# KiCad board Batch 1.kicad_pcb (continued)
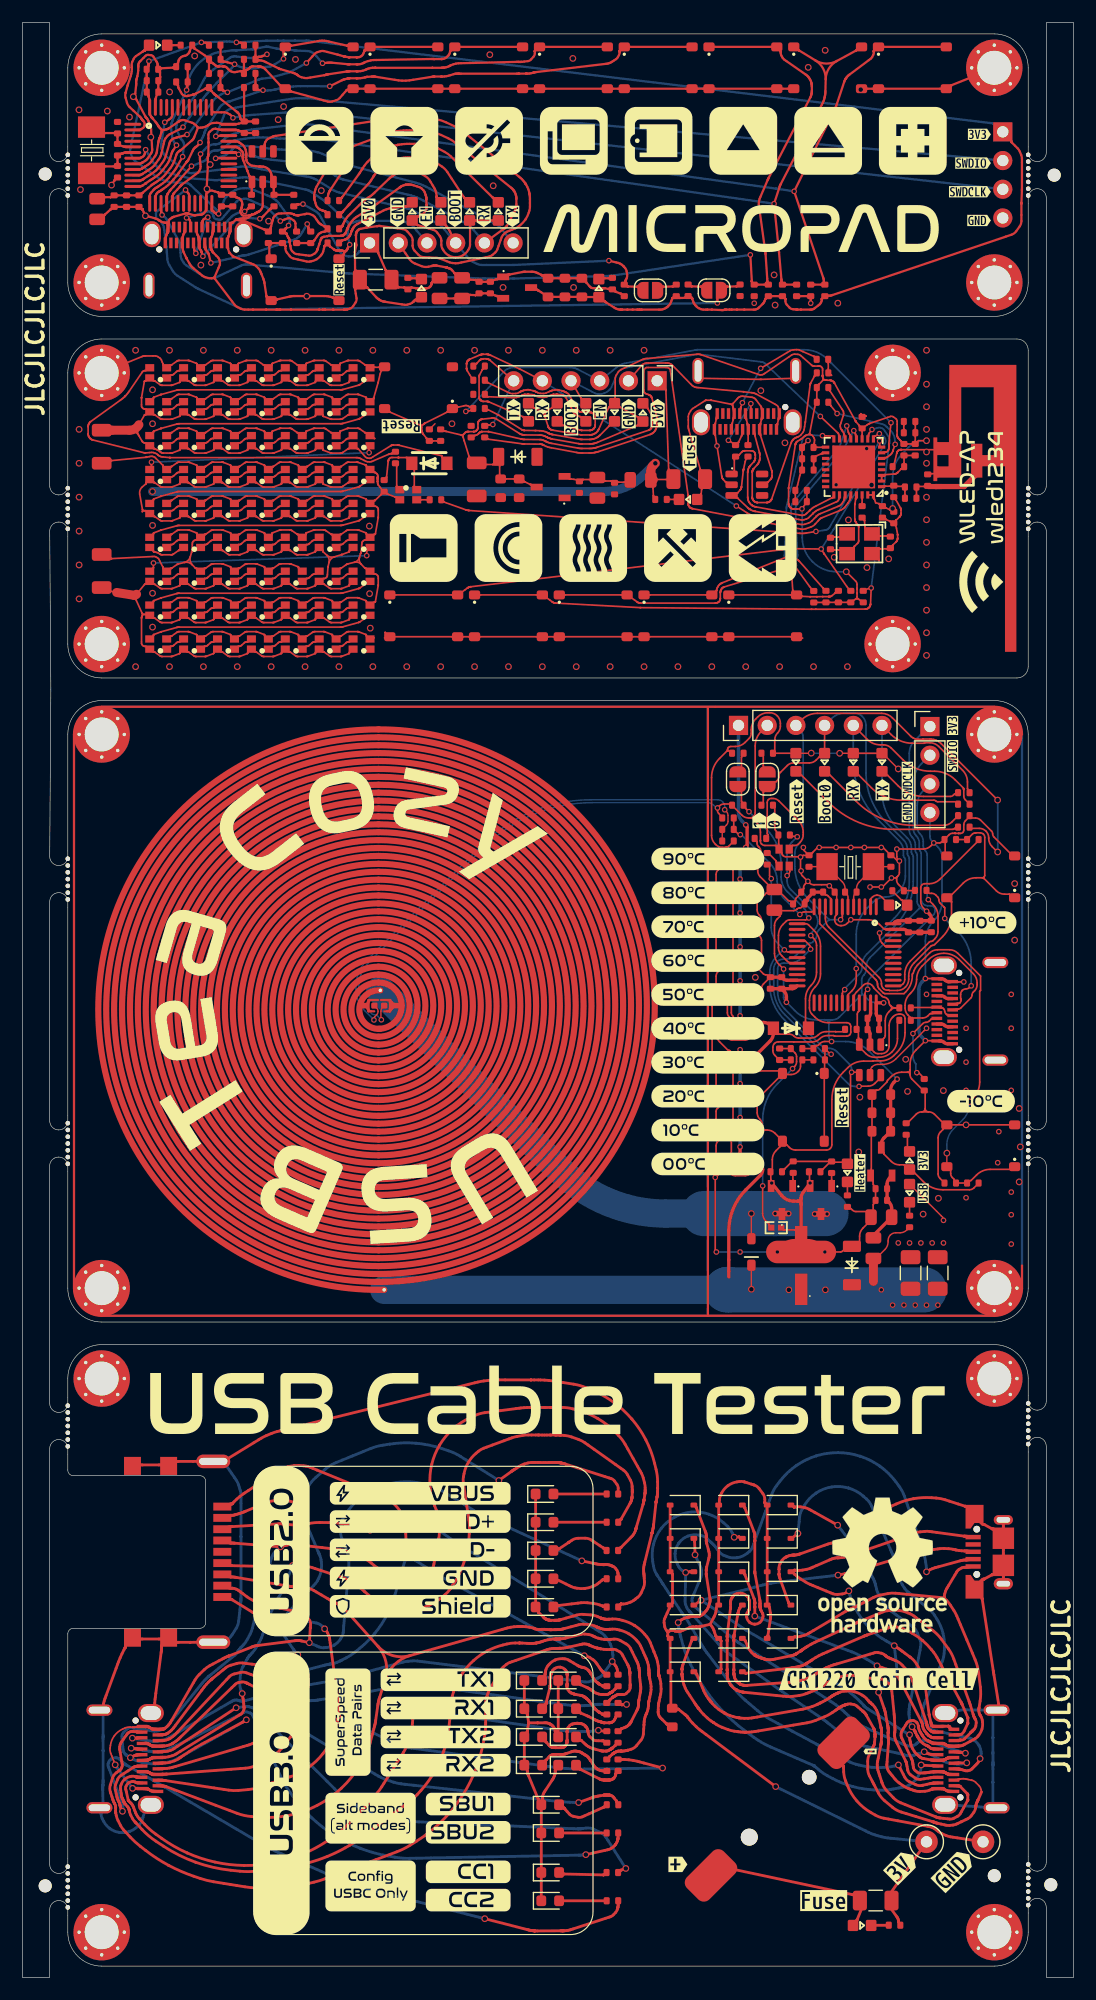
[diagram p0: board, top side]
## Routing (per net, layer and track width the routed paths; a pad name or vN(x,y) marks a point on that pad's centre or on a via; arc(x,y) is an arc through that point) (continued)
Net-(D11-A): length 10.1
  Top w0.25: 51.38,23.27 51.34,23.29 arc(51.34,23.29) 51.33,23.29 arc(51.33,23.29) 51.33,23.29 51.33,23.29 arc(51.32,23.3) 51.32,23.3 arc(51.32,23.3) 51.32,23.3 51.03,23.46 arc(51.02,23.47) 51.01,23.48 50.98,23.5 arc(50.97,23.5) 50.96,23.51 50.73,23.7 arc(50.71,23.72) 50.69,23.74 50.65,23.79 arc(50.63,23.81) 50.61,23.83 50.12,24.47 arc(50.11,24.49) 50.09,24.51 50.06,24.54 arc(50.04,24.56) 50.03,24.58 arc(50.01,24.59) 49.99,24.61 49.93,24.66 arc(49.92,24.67) 49.91,24.68 49.91,24.68 arc(49.9,24.69) 49.88,24.7 49.87,24.71 arc(49.87,24.71) 49.87,24.71 49.82,24.75 arc(49.8,24.76) 49.79,24.77 arc(49.78,24.78) 49.76,24.79 49.75,24.8 arc(49.74,24.81) 49.74,24.81 arc(49.73,24.81) 49.73,24.82 49.67,24.86 arc(49.63,24.88) 49.6,24.9 49.53,24.93 arc(49.49,24.94) 49.45,24.95 49.34,24.97 48.92,25.05 arc(48.9,25.05) 48.88,25.06 48.85,25.07 arc(48.83,25.07) 48.81,25.08 48.53,25.18 arc(48.44,25.24) 48.37,25.31 48.24,25.5 arc(48.2,25.59) 48.18,25.7 48.18,25.81 arc(48.18,25.82) 48.18,25.83 48.18,25.85 arc(48.18,25.86) 48.18,25.87 48.18,25.88 arc(48.18,25.88) 48.18,25.88 48.19,25.89 arc(48.19,25.89) 48.19,25.89 arc(48.19,25.89) 48.19,25.89 48.19,25.9 arc(48.19,25.91) 48.19,25.92 48.19,25.95 arc(48.19,25.95) 48.19,25.96 arc(48.19,25.96) 48.19,25.96 48.19,25.97 arc(48.19,25.97) 48.19,25.98 arc(48.19,25.98) 48.19,25.98 48.2,26.76 arc(48.2,26.77) 48.2,26.78 48.2,26.8 arc(48.2,26.81) 48.2,26.82 48.18,26.97 arc(48.15,27.08) 48.08,27.17 47.99,27.26 arc(47.81,27.39) 47.59,27.45 arc(47.36,27.44) 47.14,27.36 47.04,27.3 arc(46.95,27.23) 46.89,27.13 46.76,26.8 arc(46.76,26.8) 46.76,26.8 arc(46.76,26.8) 46.76,26.79 46.73,26.72 arc(46.73,26.72) 46.73,26.72 arc(46.73,26.71) 46.73,26.71 46.72,26.68 arc(46.71,26.67) 46.71,26.66 arc(46.71,26.66) 46.7,26.65 46.7,26.63 arc(46.7,26.62) 46.7,26.61 arc(46.7,26.6) 46.7,26.59 46.69,26.56 arc(46.69,26.56) 46.69,26.56 arc(46.69,26.55) 46.69,26.55 46.69,26.55 arc(46.69,26.54) 46.69,26.54 46.69,25.82 arc(46.69,25.82) 46.69,25.82 46.69,25.81 arc(46.69,25.81) 46.69,25.8 46.69,25.79 arc(46.69,25.78) 46.69,25.76 46.69,25.73 arc(46.69,25.72) 46.68,25.7 46.67,25.66 46.36,24.38 arc(46.35,24.36) 46.35,24.34 arc(46.34,24.32) 46.34,24.3 46.33,24.23 arc(46.33,24.23) 46.33,24.23 arc(46.32,24.23) 46.32,24.23 46.32,24.22 arc(46.32,24.22) 46.32,24.22 46.32,24.22
Net-(D12-K): length 29.3
  Top w0.25: 63.5,32.73 63.46,32.66 arc(63.43,32.6) 63.4,32.54 63.36,32.41 arc(63.34,32.34) 63.32,32.28 63.31,32.2 arc(63.31,32.19) 63.31,32.18 63.3,32.14 arc(63.3,32.1) 63.29,32.06 62.98,30.35 arc(62.98,30.35) 62.98,30.34 arc(62.98,30.34) 62.98,30.34 62.96,30.24 arc(62.96,30.23) 62.96,30.23 arc(62.96,30.23) 62.96,30.22 62.95,30.21 arc(62.95,30.21) 62.95,30.21 arc(62.95,30.2) 62.95,30.2 62.95,30.16 arc(62.95,30.16) 62.95,30.15 arc(62.95,30.15) 62.95,30.14 62.95,30.13 arc(62.95,30.12) 62.95,30.12 62.95,29.9 arc(62.95,29.89) 62.95,29.87 62.95,29.87 arc(62.95,29.86) 62.95,29.85 arc(62.95,29.85) 62.95,29.84 62.95,29.82 arc(62.95,29.78) 62.95,29.75 62.95,27.3 arc(62.95,27.27) 62.95,27.23 62.95,27.21 arc(62.95,27.2) 62.95,27.2 arc(62.95,27.19) 62.95,27.18 62.95,27.18 arc(62.95,27.16) 62.95,27.15 62.95,26.95 arc(62.95,26.94) 62.95,26.92 arc(62.95,26.91) 62.95,26.89 62.95,26.86 arc(62.95,26.85) 62.95,26.84 62.95,26.83 arc(62.95,26.82) 62.96,26.82 62.98,26.69 arc(62.99,26.66) 62.99,26.63 63,26.6 arc(63,26.6) 63,26.6 arc(63,26.6) 63,26.6 63.01,26.55 arc(63.03,26.5) 63.05,26.45 63.09,26.36 arc(63.12,26.31) 63.15,26.27 63.21,26.19 arc(63.25,26.15) 63.28,26.12 63.36,26.05 arc(63.4,26.02) 63.44,26 63.49,25.97 arc(63.49,25.97) 63.49,25.97 arc(63.49,25.97) 63.49,25.97 63.49,25.97 arc(63.49,25.97) 63.49,25.97 arc(63.5,25.97) 63.5,25.97 63.54,25.94 arc(63.58,25.93) 63.62,25.91 63.71,25.88 arc(63.75,25.87) 63.79,25.86 63.87,25.85 arc(63.9,25.84) 63.93,25.84 63.99,25.84 arc(64.02,25.84) 64.05,25.84 64.15,25.85 67.86,26.12 68.16,26.14 arc(68.25,26.15) 68.35,26.16 68.55,26.2 arc(68.65,26.22) 68.74,26.25 69.14,26.36 69.33,26.42 arc(69.46,26.47) 69.59,26.52 69.84,26.64 arc(69.96,26.7) 70.08,26.78 70.21,26.87 arc(70.22,26.88) 70.24,26.89 70.34,26.96 arc(70.41,27) 70.49,27.05 arc(70.56,27.09) 70.63,27.13 70.7,27.17 arc(70.74,27.2) 70.77,27.22 arc(70.81,27.24) 70.84,27.25 70.99,27.33 arc(71.02,27.35) 71.06,27.37 71.19,27.43 arc(71.28,27.47) 71.38,27.51 71.57,27.59 arc(71.66,27.62) 71.76,27.65 72.06,27.74 75.01,28.61 75.43,28.74 arc(75.57,28.76) 75.72,28.75 76,28.69 arc(76.14,28.64) 76.26,28.57 76.42,28.43 arc(76.46,28.4) 76.5,28.38 76.57,28.33 arc(76.61,28.31) 76.65,28.29 77.29,28.02 arc(77.59,27.86) 77.84,27.64 78.31,27.14 arc(78.51,26.87) 78.65,26.56 78.98,25.59 79.96,22.67 79.99,22.57 arc(80,22.53) 80.01,22.5 80.03,22.43 arc(80.03,22.39) 80.04,22.36 80.04,22.33 arc(80.04,22.32) 80.04,22.31 arc(80.04,22.3) 80.04,22.3 80.05,22.26 arc(80.06,22.22) 80.07,22.17 80.11,22.09 arc(80.14,22.05) 80.17,22.02 80.35,21.84 arc(80.36,21.84) 80.36,21.84 80.37,21.83 arc(80.38,21.82) 80.38,21.82 arc(80.39,21.82) 80.39,21.82 80.49,21.75 arc(80.49,21.74) 80.5,21.74 80.52,21.74 arc(80.53,21.73) 80.54,21.73 80.61,21.73 arc(80.67,21.73) 80.74,21.73 J12.A11
Net-(D13-A): length 3.5
  Top w0.25: 49.41,20.98 49.41,20.98 arc(49.42,20.98) 49.42,20.98 49.42,20.98 arc(49.43,20.98) 49.43,20.97 arc(49.43,20.97) 49.43,20.97 49.91,20.55 arc(49.98,20.49) 50.06,20.44 50.24,20.34 arc(50.32,20.3) 50.42,20.27 50.7,20.19 51.21,20.05 arc(51.23,20.05) 51.26,20.04 51.31,20.03 arc(51.33,20.03) 51.36,20.03 51.68,20.03 arc(51.71,20.03) 51.75,20.04 51.81,20.06 arc(51.85,20.07) 51.88,20.09 52,20.18 arc(52.01,20.18) 52.02,20.19 52.04,20.2 arc(52.05,20.21) 52.07,20.21 52.07,20.22 arc(52.08,20.22) 52.08,20.22 arc(52.08,20.22) 52.09,20.22 arc(52.09,20.23) 52.09,20.23 52.1,20.23 arc(52.1,20.23) 52.11,20.23 arc(52.11,20.24) 52.11,20.24 52.15,20.26 arc(52.15,20.26) 52.16,20.27 arc(52.16,20.27) 52.17,20.27 52.18,20.28 arc(52.18,20.28) 52.19,20.29 52.2,20.3 arc(52.21,20.31) 52.22,20.31 arc(52.23,20.32) 52.24,20.33 52.44,20.52 arc(52.44,20.52) 52.44,20.52 52.44,20.52 arc(52.44,20.52) 52.44,20.53
Net-(D14-A): length 4.4
  Top w0.25: 51.42,35.22 51.41,35.22 arc(51.4,35.22) 51.39,35.22 51.37,35.21 arc(51.36,35.21) 51.35,35.2 arc(51.35,35.19) 51.34,35.19 50.88,34.83 arc(50.74,34.73) 50.58,34.65 50.42,34.59 arc(50.09,34.48) 49.75,34.42 49.75,34.42 arc(49.4,34.41) 49.06,34.45 48.89,34.48 arc(48.72,34.52) 48.56,34.58 47.42,35.15
Net-(D15-K): length 52.5
  Top w0.25: v1(72.16,35.6) 72.78,35.73 arc(72.81,35.73) 72.84,35.74 72.86,35.74 arc(72.86,35.74) 72.87,35.74 arc(72.87,35.75) 72.88,35.75 72.94,35.76 arc(73,35.77) 73.07,35.78 73.19,35.81 arc(73.26,35.83) 73.32,35.85 73.51,35.9 79.39,37.67 79.5,37.7 arc(79.53,37.71) 79.57,37.72 79.64,37.74 arc(79.68,37.74) 79.72,37.75 79.83,37.76 80.62,37.87 81.19,37.94 arc(81.38,37.96) 81.57,37.96 81.96,37.94 arc(82.15,37.92) 82.34,37.89 82.51,37.85 arc(82.53,37.85) 82.54,37.84 arc(82.56,37.84) 82.57,37.84 82.67,37.82 arc(82.78,37.79) 82.89,37.78 83.11,37.75 arc(83.22,37.74) 83.34,37.74 83.51,37.74 arc(83.57,37.74) 83.64,37.73 J10.3 ; J12.B6 82.14,19.44 arc(82.07,19.43) 82.01,19.43 81.94,19.43 arc(81.94,19.43) 81.94,19.43 81.93,19.43 arc(81.92,19.43) 81.92,19.43 arc(81.92,19.43) 81.91,19.43 81.85,19.41 arc(81.83,19.4) 81.81,19.39 81.77,19.37 arc(81.76,19.36) 81.74,19.35 81.73,19.34 arc(81.73,19.34) 81.72,19.33 arc(81.72,19.33) 81.72,19.33 81.71,19.32 arc(81.69,19.3) 81.67,19.29 81.64,19.27 arc(81.62,19.26) 81.6,19.26 81.53,19.24 arc(81.52,19.24) 81.52,19.23 81.51,19.23 arc(81.51,19.23) 81.5,19.23 81.44,19.23 arc(81.37,19.23) 81.31,19.23 81.2,19.22 arc(81.02,19.21) 80.85,19.22 80.74,19.23 arc(80.67,19.23) 80.61,19.23 80.53,19.23 arc(80.51,19.23) 80.49,19.23 80.45,19.24 arc(80.44,19.24) 80.42,19.24 80.36,19.25 79.65,19.39 arc(79.61,19.4) 79.58,19.41 79.5,19.44 arc(79.47,19.46) 79.44,19.49 79.11,19.77 arc(79,19.88) 78.91,20.01 78.75,20.28 arc(78.68,20.42) 78.63,20.57 78.54,20.96 arc(78.52,21.03) 78.51,21.1 78.5,21.25 arc(78.5,21.32) 78.5,21.39 v1(78.5,21.48) ; v1(60.05,33.38) 59.69,33.12
  Bottom w0.25: v1(72.16,35.6) 68.08,35.12 66.96,34.99 arc(66.59,34.94) 66.22,34.87 65.48,34.72 arc(65.12,34.63) 64.76,34.53 64.38,34.42 arc(64.37,34.41) 64.35,34.41 64.22,34.37 arc(64.07,34.33) 63.92,34.3 v1(60.05,33.38) 63.96,30.78 arc(63.99,30.76) 64.02,30.74 arc(64.06,30.72) 64.09,30.69 71.36,26.41 72.37,25.82 arc(72.69,25.61) 73.01,25.38 73.61,24.89 arc(73.91,24.63) 74.18,24.36 74.44,24.07 74.51,24 arc(74.55,23.96) 74.6,23.92 74.69,23.84 arc(74.73,23.81) 74.78,23.78 74.93,23.68 78.29,21.58 78.35,21.54 arc(78.37,21.53) 78.39,21.52 78.43,21.5 arc(78.45,21.49) 78.47,21.49 78.49,21.48 arc(78.49,21.48) 78.5,21.48 v1(78.5,21.48)
Net-(D16-A): length 4.5
  Top w0.25: 47.42,37.91 47.43,37.91 arc(47.44,37.91) 47.45,37.92 47.46,37.92 arc(47.47,37.92) 47.48,37.93 47.5,37.94 48.31,38.48 arc(48.32,38.49) 48.33,38.5 48.34,38.5 arc(48.34,38.5) 48.35,38.51 48.61,38.69 arc(48.88,38.82) 49.17,38.86 49.78,38.87 arc(50.08,38.83) 50.35,38.7 51.4,38 arc(51.41,38) 51.41,37.99 51.42,37.99 arc(51.42,37.99) 51.42,37.99
Net-(D17-K): length 30.8
  Top w0.25: J12.B3 82.65,20.97 arc(82.71,20.98) 82.77,20.98 82.8,20.98 arc(82.84,20.98) 82.87,20.98 82.9,20.98 arc(82.91,20.98) 82.92,20.98 arc(82.93,20.99) 82.94,20.99 arc(82.95,20.99) 82.95,21 arc(82.96,21) 82.97,21.01 arc(82.98,21.01) 82.99,21.01 83.12,21.01 arc(83.25,21.04) 83.37,21.11 83.91,21.65 arc(83.91,21.66) 83.91,21.67 arc(83.92,21.68) 83.92,21.68 83.93,21.69 arc(83.95,21.7) 83.96,21.71 arc(83.98,21.73) 84,21.74 arc(84.01,21.75) 84.03,21.77 arc(84.04,21.78) 84.06,21.8 84.24,21.99 arc(84.32,22.11) 84.36,22.24 84.4,22.53 arc(84.39,22.67) 84.35,22.8 84.26,22.95 arc(84.25,22.96) 84.24,22.98 84.24,23 arc(84.22,23.04) 84.2,23.07 arc(84.19,23.11) 84.17,23.15 arc(84.16,23.18) 84.15,23.22 84.12,23.3 83.89,24.06 arc(83.87,24.12) 83.85,24.18 arc(83.83,24.24) 83.81,24.3 arc(83.79,24.36) 83.77,24.41 82.94,26.71 82.41,28.18 arc(82.21,28.65) 81.93,29.09 81.32,29.93 arc(80.99,30.32) 80.6,30.67 80.05,31.09 78.9,31.98 arc(78.73,32.09) 78.54,32.18 78.35,32.26 arc(77.96,32.4) 77.55,32.48 arc(77.14,32.5) 76.73,32.48 76.53,32.45 arc(76.32,32.41) 76.13,32.34 75.55,32.1 74.3,31.59 arc(74.26,31.57) 74.23,31.55 74.2,31.54 arc(74.19,31.54) 74.18,31.53 arc(74.16,31.53) 74.15,31.52 74.15,31.52 arc(74.13,31.52) 74.12,31.51 74.09,31.5 arc(74.08,31.5) 74.07,31.49 74.05,31.48 arc(74.01,31.47) 73.98,31.45 arc(73.94,31.44) 73.91,31.42 arc(73.87,31.41) 73.84,31.39 73.77,31.36 70.46,29.81 70.09,29.64 arc(69.97,29.58) 69.85,29.52 69.73,29.45 arc(69.62,29.39) 69.5,29.32 69.41,29.26 arc(69.39,29.25) 69.36,29.23 69.27,29.17 arc(69.21,29.13) 69.15,29.09 69.14,29.08 arc(69.09,29.05) 69.03,29.01 69,28.99 arc(68.98,28.97) 68.96,28.96 68.95,28.96 arc(68.95,28.95) 68.94,28.95 68.93,28.94 arc(68.93,28.94) 68.92,28.93 arc(68.92,28.93) 68.91,28.93 68.9,28.92 arc(68.9,28.92) 68.89,28.91 arc(68.88,28.91) 68.87,28.9 arc(68.87,28.9) 68.86,28.89 68.85,28.88 arc(68.84,28.88) 68.84,28.88 arc(68.83,28.87) 68.83,28.87 68.6,28.72 arc(68.56,28.69) 68.52,28.67 68.49,28.65 arc(68.48,28.64) 68.46,28.63 68.45,28.63 arc(68.45,28.62) 68.44,28.62 arc(68.43,28.62) 68.42,28.61 68.4,28.6 arc(68.38,28.59) 68.36,28.58 68.33,28.56 arc(68.29,28.54) 68.24,28.52 68.24,28.52 arc(68.19,28.51) 68.14,28.49 arc(68.09,28.48) 68.04,28.47 66.39,28.13 arc(66.31,28.12) 66.23,28.11 66.07,28.11 arc(65.99,28.11) 65.91,28.13 65.77,28.15 arc(65.77,28.15) 65.76,28.15 65.74,28.16 arc(65.72,28.16) 65.69,28.17 arc(65.67,28.17) 65.64,28.18 arc(65.62,28.19) 65.6,28.19 65.48,28.23 arc(65.48,28.23) 65.48,28.23 65.4,28.26 arc(65.38,28.26) 65.37,28.27 arc(65.35,28.27) 65.33,28.28 arc(65.32,28.28) 65.3,28.29 65.22,28.31 arc(65.19,28.32) 65.16,28.34 arc(65.13,28.35) 65.11,28.36 arc(65.08,28.37) 65.05,28.38 65.02,28.4 arc(65.02,28.4) 65.02,28.4 64.95,28.43 arc(64.94,28.44) 64.92,28.45 arc(64.9,28.46) 64.89,28.47 arc(64.87,28.48) 64.85,28.49 64.85,28.5 arc(64.84,28.5) 64.83,28.51 64.8,28.52 arc(64.8,28.53) 64.8,28.53 64.8,28.53 arc(64.8,28.53) 64.8,28.53 64.8,28.53 arc(64.79,28.53) 64.79,28.53 arc(64.79,28.53) 64.79,28.54 64.7,28.59 arc(64.62,28.66) 64.54,28.73 64.41,28.89 arc(64.34,28.98) 64.29,29.07 63.96,29.79 arc(63.96,29.79) 63.95,29.79 63.95,29.8
Net-(D18-A): length 4.1
  Top w0.25: 51.42,32.84 51.42,32.84 arc(51.41,32.84) 51.41,32.84 51.39,32.84 arc(51.39,32.85) 51.38,32.85 arc(51.38,32.85) 51.37,32.85 51.08,32.96 arc(50.81,33.04) 50.54,33.09 49.98,33.16 arc(49.7,33.17) 49.42,33.16 48.59,33.05 47.44,32.91 arc(47.43,32.91) 47.43,32.91 arc(47.43,32.91) 47.43,32.91 47.42,32.91 arc(47.42,32.91) 47.42,32.91 47.42,32.91
Net-(D19-K): length 47.5
  Top w0.25: 81.57,33.58 81.77,33.37 arc(81.95,33.17) 82.12,32.94 82.42,32.47 arc(82.56,32.23) 82.68,31.98 83,31.21 84.05,28.71 84.3,28.14 arc(84.5,27.55) 84.61,26.94 84.76,25.7 arc(84.8,25.07) 84.74,24.46 84.65,23.88 84.63,23.72 arc(84.62,23.64) 84.63,23.56 84.66,23.41 arc(84.68,23.33) 84.71,23.26 84.75,23.19 arc(84.75,23.19) 84.76,23.19 arc(84.76,23.18) 84.76,23.18 84.84,23.05 arc(84.9,22.91) 84.94,22.76 84.95,22.6 arc(84.96,22.29) 84.91,21.99 arc(84.79,21.7) 84.63,21.44 84.53,21.32 arc(84.42,21.21) 84.29,21.12 83.38,20.63 83.24,20.56 arc(83.2,20.54) 83.15,20.52 83.05,20.5 arc(83,20.49) 82.95,20.48 82.84,20.48 arc(82.77,20.48) 82.71,20.48 82.6,20.47 arc(82.42,20.46) 82.25,20.47 82.14,20.48 arc(82.07,20.48) 82.01,20.48 81.94,20.48 arc(81.94,20.48) 81.94,20.48 81.93,20.48 arc(81.92,20.49) 81.92,20.49 arc(81.92,20.49) 81.91,20.49 81.89,20.5 arc(81.87,20.5) 81.85,20.51 arc(81.83,20.51) 81.81,20.52 81.77,20.54 arc(81.76,20.55) 81.74,20.57 81.73,20.58 arc(81.73,20.58) 81.72,20.58 arc(81.72,20.59) 81.72,20.59 81.71,20.6 arc(81.69,20.61) 81.67,20.62 81.64,20.64 arc(81.62,20.65) 81.6,20.66 81.53,20.68 arc(81.52,20.68) 81.52,20.68 81.51,20.68 arc(81.51,20.68) 81.5,20.68 81.44,20.68 arc(81.37,20.68) 81.31,20.69 80.74,20.73 arc(80.67,20.73) 80.61,20.73 80.54,20.73 arc(80.53,20.73) 80.53,20.74 80.51,20.74 arc(80.5,20.74) 80.49,20.75 arc(80.49,20.75) 80.48,20.75 80.41,20.8 arc(80.4,20.8) 80.4,20.8 arc(80.4,20.8) 80.39,20.8 80.39,20.8 arc(80.39,20.81) 80.38,20.81 arc(80.38,20.81) 80.38,20.81 80.35,20.83 arc(80.33,20.85) 80.3,20.86 80.25,20.88 arc(80.23,20.9) 80.21,20.91 80.19,20.92 arc(80.18,20.92) 80.18,20.92 arc(80.17,20.92) 80.17,20.92 80.1,20.95 arc(80.03,20.98) 79.97,21.03 79.85,21.12 arc(79.8,21.17) 79.75,21.23 79.63,21.41 arc(79.62,21.43) 79.6,21.46 arc(79.59,21.48) 79.58,21.5 79.42,21.76 arc(79.39,21.82) 79.36,21.88 79.32,22.02 arc(79.3,22.09) 79.29,22.15 79.28,22.23 arc(79.28,22.24) 79.28,22.25 arc(79.23,22.41) 79.15,22.55 79.14,22.55 arc(79.01,22.66) 78.85,22.73 arc(78.68,22.74) 78.51,22.7 78.43,22.67 arc(78.35,22.62) 78.3,22.56 77.82,21.8 arc(77.78,21.71) 77.76,21.62 77.75,21.43 arc(77.75,21.33) 77.78,21.24 78.63,19.44 78.7,19.3 arc(78.71,19.25) 78.73,19.21 78.76,19.11 arc(78.77,19.06) 78.78,19.01 78.84,18.57 arc(78.88,18.45) 78.96,18.35 79.17,18.17 arc(79.29,18.1) 79.42,18.08 79.92,18.11 arc(79.96,18.11) 80,18.11 80.08,18.12 arc(80.11,18.13) 80.15,18.14 80.25,18.16 arc(80.29,18.16) 80.33,18.17 80.42,18.18 arc(80.46,18.18) 80.51,18.18 80.61,18.18 arc(80.67,18.18) 80.74,18.19 80.85,18.2 arc(81.02,18.2) 81.2,18.2 81.31,18.19 arc(81.37,18.18) 81.44,18.18 81.5,18.18 arc(81.51,18.18) 81.51,18.18 81.52,18.18 arc(81.52,18.18) 81.53,18.18 81.6,18.16 arc(81.62,18.15) 81.64,18.15 81.67,18.12 arc(81.69,18.11) 81.71,18.1 81.72,18.09 arc(81.72,18.08) 81.72,18.08 arc(81.73,18.08) 81.73,18.08 81.74,18.07 arc(81.76,18.05) 81.77,18.04 81.81,18.02 arc(81.83,18.01) 81.85,18.01 81.91,17.99 arc(81.92,17.99) 81.92,17.99 arc(81.92,17.99) 81.93,17.98 81.94,17.98 arc(81.94,17.98) 81.94,17.98 82.01,17.98 arc(82.07,17.98) 82.14,17.98 J12.B9 ; 81.57,33.58 arc(81.57,33.59) 81.56,33.59 ; 81.57,33.58 arc(81.57,33.59) 81.57,33.6 ; 68.3,30.13 68.52,30.14 arc(68.69,30.15) 68.87,30.19 69.21,30.28 arc(69.37,30.34) 69.53,30.42 69.99,30.69 72.88,32.42 arc(72.99,32.47) 73.09,32.53 73.31,32.63 arc(73.42,32.68) 73.53,32.73 73.69,32.79 arc(73.71,32.8) 73.73,32.81 73.77,32.82 arc(73.79,32.83) 73.81,32.84 73.87,32.87 75.3,33.62 arc(75.6,33.75) 75.92,33.84 76.58,33.97 arc(76.92,34.01) 77.25,34 78.25,33.9 81.56,33.59 ; 81.56,33.59 arc(81.57,33.59) 81.57,33.6 ; J10.1 83.64,36.3 arc(83.57,36.29) 83.51,36.29 83.33,36.29 arc(83.21,36.28) 83.09,36.23 82.88,36.11 arc(82.78,36.04) 82.71,35.94 81.95,34.69 81.77,34.38 arc(81.72,34.28) 81.68,34.17 81.61,33.95 arc(81.59,33.84) 81.57,33.72 81.57,33.61 arc(81.57,33.6) 81.57,33.6
Net-(D20-K): length 24.5
  Top w0.25: v1(64.8,31.98) 64.8,32.72 arc(64.8,32.74) 64.8,32.76 64.8,32.77 arc(64.8,32.78) 64.8,32.79 arc(64.8,32.8) 64.8,32.82 64.8,32.82 arc(64.8,32.84) 64.8,32.85 64.8,33.04 arc(64.8,33.06) 64.8,33.08 64.8,33.1 arc(64.8,33.11) 64.8,33.11 arc(64.8,33.12) 64.8,33.13 64.81,33.14 arc(64.81,33.15) 64.81,33.15 64.81,33.19 arc(64.81,33.24) 64.8,33.28 64.79,33.36 arc(64.78,33.41) 64.76,33.45 63.92,35.67 arc(63.92,35.68) 63.91,35.68 63.91,35.68 ; v1(75.62,27.57) 76.66,27.22 arc(76.85,27.13) 77.02,27.01 77.34,26.74 arc(77.48,26.59) 77.59,26.42 77.88,25.86 79.58,22.58 arc(79.6,22.54) 79.61,22.5 79.64,22.41 arc(79.65,22.37) 79.65,22.32 79.66,22.29 arc(79.66,22.28) 79.66,22.27 arc(79.66,22.26) 79.66,22.26 79.67,22.2 arc(79.68,22.14) 79.7,22.08 79.75,21.96 arc(79.78,21.9) 79.81,21.85 80,21.61 arc(80,21.61) 80.01,21.6 80.02,21.59 arc(80.02,21.59) 80.03,21.58 arc(80.03,21.58) 80.03,21.58 80.14,21.46 arc(80.15,21.45) 80.16,21.44 80.18,21.42 arc(80.2,21.41) 80.21,21.4 80.38,21.28 arc(80.4,21.27) 80.43,21.26 80.48,21.24 arc(80.5,21.24) 80.52,21.23 80.61,21.23 arc(80.67,21.23) 80.74,21.23 J12.A10
  Bottom w0.25: v1(75.62,27.57) 75.32,27.79 arc(75.02,27.99) 74.7,28.17 74.05,28.51 arc(73.72,28.67) 73.38,28.81 72.35,29.19 v1(64.8,31.98)
Net-(D21-K): length 49.2
  Top w0.25: 63.91,41.58 63.91,41.58 arc(63.92,41.58) 63.92,41.57 64.71,39.49 64.76,39.36 arc(64.78,39.31) 64.79,39.26 64.8,39.17 arc(64.81,39.12) 64.81,39.07 64.8,39.02 arc(64.8,39.01) 64.8,39.01 64.8,38.99 arc(64.8,38.96) 64.8,38.94 64.8,38.66 arc(64.8,38.65) 64.8,38.65 64.8,38.64 arc(64.8,38.64) 64.8,38.64 64.8,35.88 arc(64.8,35.86) 64.8,35.85 64.81,35.81 arc(64.81,35.79) 64.81,35.77 arc(64.82,35.76) 64.82,35.74 65.23,33.49 65.25,33.38 arc(65.26,33.34) 65.26,33.3 65.27,33.22 arc(65.27,33.18) 65.27,33.14 65.27,33.11 arc(65.26,33.1) 65.26,33.09 arc(65.26,33.08) 65.26,33.07 arc(65.26,33.06) 65.26,33.05 65.26,32.95 65.26,32.83 arc(65.26,32.83) 65.26,32.82 65.26,32.81 arc(65.26,32.81) 65.27,32.8 65.27,32.76 arc(65.27,32.75) 65.27,32.75 arc(65.27,32.75) 65.27,32.74 65.29,32.65 arc(65.29,32.63) 65.29,32.61 65.31,32.57 arc(65.31,32.56) 65.32,32.54 65.5,32.2 arc(65.54,32.08) 65.53,31.96 65.51,31.83 arc(65.42,31.6) 65.25,31.42 arc(65.04,31.3) 64.79,31.26 arc(64.55,31.3) 64.34,31.43 arc(64.18,31.62) 64.1,31.85 64.07,31.98 arc(64.07,32.1) 64.11,32.21 64.27,32.51 arc(64.28,32.51) 64.28,32.52 arc(64.28,32.52) 64.28,32.53 64.29,32.54 arc(64.29,32.54) 64.29,32.55 arc(64.3,32.55) 64.3,32.56 arc(64.3,32.56) 64.3,32.57 64.31,32.58 arc(64.31,32.6) 64.32,32.61 64.33,32.65 arc(64.33,32.67) 64.33,32.68 64.34,32.8 arc(64.34,32.82) 64.34,32.83 arc(64.34,32.84) 64.34,32.85 64.34,32.95 64.34,33.07 arc(64.34,33.07) 64.34,33.07 64.34,33.08 arc(64.34,33.08) 64.34,33.09 arc(64.34,33.09) 64.34,33.1 64.33,33.26 arc(64.32,33.28) 64.32,33.29 64.32,33.32 arc(64.31,33.34) 64.31,33.36 64.31,33.37 arc(64.31,33.37) 64.31,33.37 64.28,33.49 arc(64.23,33.6) 64.16,33.69 64.07,33.77 arc(63.88,33.91) 63.66,33.99 arc(63.42,34) 63.2,33.95 63.08,33.91 arc(62.98,33.85) 62.9,33.76 62.78,33.6 arc(62.74,33.55) 62.72,33.49 62.68,33.36 arc(62.66,33.3) 62.66,33.23 62.66,32.73 arc(62.65,32.72) 62.65,32.71 62.65,32.68 arc(62.65,32.67) 62.65,32.66 62.37,30.35 arc(62.36,30.32) 62.36,30.3 62.36,30.26 arc(62.36,30.24) 62.36,30.22 62.36,30.2 arc(62.36,30.2) 62.36,30.19 arc(62.36,30.19) 62.36,30.19 62.36,30.14 62.36,30.13 arc(62.36,30.11) 62.36,30.1 62.36,29.9 arc(62.36,29.89) 62.36,29.87 62.36,29.86 arc(62.36,29.86) 62.36,29.86 62.36,29.84 arc(62.36,29.84) 62.36,29.84 arc(62.36,29.84) 62.36,29.84 62.36,29.81 arc(62.36,29.77) 62.36,29.74 62.36,27.31 arc(62.36,27.28) 62.36,27.24 62.36,27.21 arc(62.36,27.21) 62.36,27.21 arc(62.36,27.21) 62.36,27.21 62.36,27.19 arc(62.36,27.19) 62.36,27.19 62.36,27.18 arc(62.36,27.16) 62.36,27.15 62.36,26.95 arc(62.36,26.94) 62.36,26.92 62.36,26.91 arc(62.36,26.91) 62.36,26.91 62.36,26.89 arc(62.36,26.89) 62.36,26.89 arc(62.36,26.89) 62.36,26.89 62.36,26.86 arc(62.36,26.82) 62.36,26.79 62.36,26.78 arc(62.36,26.73) 62.37,26.68 62.38,26.59 arc(62.38,26.55) 62.39,26.5 62.4,26.46 arc(62.4,26.46) 62.4,26.45 arc(62.41,26.45) 62.41,26.45 62.43,26.37 arc(62.45,26.29) 62.48,26.21 62.56,26.06 arc(62.6,25.98) 62.65,25.91 62.7,25.85 arc(62.7,25.85) 62.71,25.85 arc(62.71,25.84) 62.71,25.84 62.76,25.78 arc(62.81,25.72) 62.87,25.67 62.99,25.57 arc(63.05,25.52) 63.12,25.48 63.19,25.44 arc(63.19,25.44) 63.19,25.44 arc(63.19,25.44) 63.2,25.44 63.2,25.43 arc(63.2,25.43) 63.2,25.43 arc(63.21,25.43) 63.21,25.43 63.27,25.4 arc(63.33,25.36) 63.4,25.34 63.54,25.29 arc(63.61,25.27) 63.68,25.26 63.75,25.25 arc(63.75,25.25) 63.75,25.25 63.79,25.24 arc(63.84,25.24) 63.88,25.23 67.59,24.86 arc(67.88,24.85) 68.17,24.87 68.75,24.95 arc(69.03,25.01) 69.3,25.1 69.69,25.25 arc(69.81,25.3) 69.93,25.34 70.05,25.4 arc(70.1,25.42) 70.15,25.44 70.29,25.51 arc(70.38,25.55) 70.46,25.6 70.63,25.69 arc(70.72,25.74) 70.8,25.8 70.89,25.86 arc(70.91,25.87) 70.93,25.88 71.03,25.95 arc(71.1,26) 71.18,26.04 71.3,26.12 71.73,26.37 arc(72.01,26.5) 72.31,26.59 72.94,26.71 arc(73.25,26.74) 73.57,26.72 74.51,26.56 75.46,26.41 arc(75.49,26.41) 75.52,26.4 75.58,26.4 arc(75.61,26.4) 75.64,26.4 75.95,26.41 arc(76.16,26.38) 76.35,26.27 76.71,25.96 arc(76.84,25.79) 76.9,25.58 76.97,24.89 77.13,23.3 arc(77.14,23.22) 77.15,23.15 arc(77.15,23.07) 77.16,22.99 77.21,22.06 arc(77.21,22.01) 77.21,21.95 77.2,21.84 arc(77.2,21.78) 77.19,21.72 77.19,21.68 arc(77.19,21.67) 77.19,21.66 arc(77.18,21.65) 77.18,21.64 77.17,21.55 arc(77.17,21.45) 77.17,21.36 77.21,21.17 arc(77.23,21.07) 77.26,20.98 77.39,20.72 78.15,19.16 78.18,19.1 arc(78.19,19.07) 78.2,19.05 78.21,19 arc(78.22,18.98) 78.23,18.96 78.34,18.32 arc(78.43,18.1) 78.6,17.93 79.01,17.64 arc(79.23,17.54) 79.47,17.53 80.4,17.67 arc(80.42,17.68) 80.44,17.68 80.48,17.68 arc(80.51,17.68) 80.53,17.68 80.61,17.68 arc(80.67,17.68) 80.74,17.69 J12.A3
Net-(D22-K): length 45.8
  Top w0.25: J12.A2 80.74,17.19 arc(80.67,17.18) 80.61,17.18 80.53,17.18 arc(80.52,17.18) 80.5,17.18 80.47,17.18 arc(80.45,17.18) 80.43,17.17 79.61,16.99 arc(79.32,16.98) 79.04,17.06 78.49,17.31 arc(78.25,17.48) 78.08,17.71 v1(77.52,18.8) ; v1(62.98,38.95) 63.4,38.98 arc(63.4,38.98) 63.41,38.98 63.41,38.98
  Bottom w0.25: v1(77.52,18.8) 77.45,18.78 77.2,18.71 arc(76.91,18.65) 76.63,18.61 76.34,18.59 arc(75.75,18.56) 75.17,18.59 arc(74.6,18.67) 74.03,18.79 73.75,18.87 arc(73.47,18.96) 73.2,19.07 71.75,19.75 arc(71.57,19.84) 71.4,19.93 71.06,20.13 arc(70.9,20.23) 70.74,20.34 70.52,20.49 arc(70.49,20.51) 70.46,20.53 70.4,20.57 arc(70.37,20.59) 70.34,20.6 70.24,20.65 68.11,21.8 66.22,22.81 arc(65.61,23.18) 65.04,23.61 63.96,24.53 arc(63.44,25.02) 62.98,25.56 62.55,26.13 61.68,27.27 60.65,28.61 60.51,28.8 arc(60.46,28.87) 60.42,28.93 60.33,29.07 arc(60.28,29.13) 60.24,29.2 60.12,29.41 58.73,31.77 58.69,31.83 arc(58.68,31.85) 58.67,31.87 58.64,31.9 arc(58.63,31.92) 58.61,31.94 58.55,32.01 arc(58.52,32.04) 58.49,32.08 58.43,32.15 arc(58.4,32.19) 58.37,32.22 58.3,32.34 56.69,34.78 arc(56.68,34.81) 56.66,34.83 arc(56.64,34.86) 56.62,34.89 56.11,35.68 arc(55.94,36.02) 55.83,36.4 55.77,36.79 arc(55.72,37.57) 55.84,38.34 arc(56.11,39.07) 56.52,39.73 arc(57.06,40.29) 57.7,40.73 arc(58.42,41.03) 59.18,41.18 arc(59.96,41.17) 60.72,41 arc(61.43,40.68) 62.06,40.22 62.35,39.95 arc(62.61,39.66) 62.81,39.33 v1(62.98,38.95)
Net-(D23-A): length 6.9
  Top w0.25: 51.38,25.77 51.34,25.79 arc(51.34,25.79) 51.33,25.79 arc(51.33,25.79) 51.33,25.79 51.33,25.79 arc(51.32,25.8) 51.32,25.8 arc(51.32,25.8) 51.32,25.8 51.03,25.96 arc(51.02,25.97) 51.01,25.98 50.98,26 arc(50.96,26.01) 50.95,26.02 50.95,26.02 arc(50.94,26.03) 50.93,26.04 arc(50.92,26.04) 50.91,26.05 50.91,26.05 arc(50.9,26.06) 50.89,26.07 50.72,26.21 arc(50.68,26.25) 50.65,26.28 50.59,26.35 arc(50.56,26.39) 50.54,26.43 50.28,26.91 arc(50.27,26.92) 50.26,26.94 50.23,26.97 arc(50.22,26.99) 50.21,27 50.09,27.17 arc(50.03,27.23) 49.96,27.28 49.81,27.37 arc(49.73,27.4) 49.65,27.43 49.57,27.44 arc(49.56,27.44) 49.55,27.44 arc(49.55,27.44) 49.54,27.44 49.5,27.45 arc(49.45,27.46) 49.4,27.47 49.31,27.51 arc(49.27,27.53) 49.22,27.55 48.31,28.09 arc(48.15,28.16) 47.98,28.19 47.81,28.2 arc(47.47,28.19) 47.14,28.09 arc(46.84,27.92) 46.59,27.69 46.48,27.56 arc(46.38,27.41) 46.32,27.25 46.28,27.08 arc(46.28,27.08) 46.28,27.08 arc(46.28,27.08) 46.28,27.08 46.27,27.03 arc(46.26,26.99) 46.26,26.96 46.25,26.9 arc(46.25,26.86) 46.24,26.83 46.24,26.82 arc(46.24,26.8) 46.24,26.77 46.24,26.75
Net-(D24-K): length 35.3
  Top w0.25: v1(59.52,37.4) 59.47,38.59 arc(59.47,38.59) 59.47,38.6 arc(59.47,38.6) 59.47,38.61 59.47,38.62 arc(59.47,38.62) 59.47,38.62 59.47,38.62 ; v1(83.44,19.84) 83,19.93 arc(82.99,19.93) 82.97,19.93 82.94,19.93 arc(82.93,19.93) 82.91,19.93 82.84,19.93 arc(82.77,19.93) 82.71,19.94 J12.B5
  Bottom w0.25: v1(83.44,19.84) 80.27,20.87 arc(80.2,20.89) 80.13,20.91 80.06,20.93 arc(80.05,20.93) 80.05,20.93 arc(80.04,20.93) 80.03,20.93 79.92,20.96 arc(79.81,20.98) 79.69,20.96 79.45,20.91 arc(79.34,20.87) 79.25,20.8 79.16,20.73 arc(79.15,20.73) 79.15,20.72 arc(79.15,20.72) 79.14,20.72 79.05,20.63 arc(78.94,20.57) 78.82,20.53 78.57,20.48 arc(78.44,20.47) 78.32,20.49 78.2,20.53 arc(78.19,20.53) 78.19,20.53 arc(78.18,20.53) 78.18,20.54 78.16,20.54 arc(78.14,20.55) 78.12,20.56 78.08,20.57 arc(78.06,20.58) 78.04,20.59 77.99,20.61 74.68,22.07 74.29,22.24 arc(74.17,22.3) 74.05,22.37 73.81,22.52 arc(73.7,22.6) 73.59,22.69 72.62,23.6 arc(72.46,23.74) 72.3,23.87 71.98,24.12 arc(71.82,24.24) 71.65,24.35 71.13,24.68 63.4,29.61 63.28,29.68 arc(63.25,29.7) 63.21,29.73 63.14,29.78 arc(63.11,29.8) 63.07,29.83 62.97,29.92 59.44,32.85 arc(59.36,32.95) 59.31,33.07 59.25,33.32 arc(59.24,33.44) 59.27,33.57 59.42,33.93 60.04,35.43 arc(60.08,35.57) 60.09,35.72 60.09,36.01 arc(60.07,36.15) 60.02,36.29 59.84,36.68 v1(59.52,37.4)